# KiCad board EnvKB110ADR-RP2040.kicad_pcb (continued)
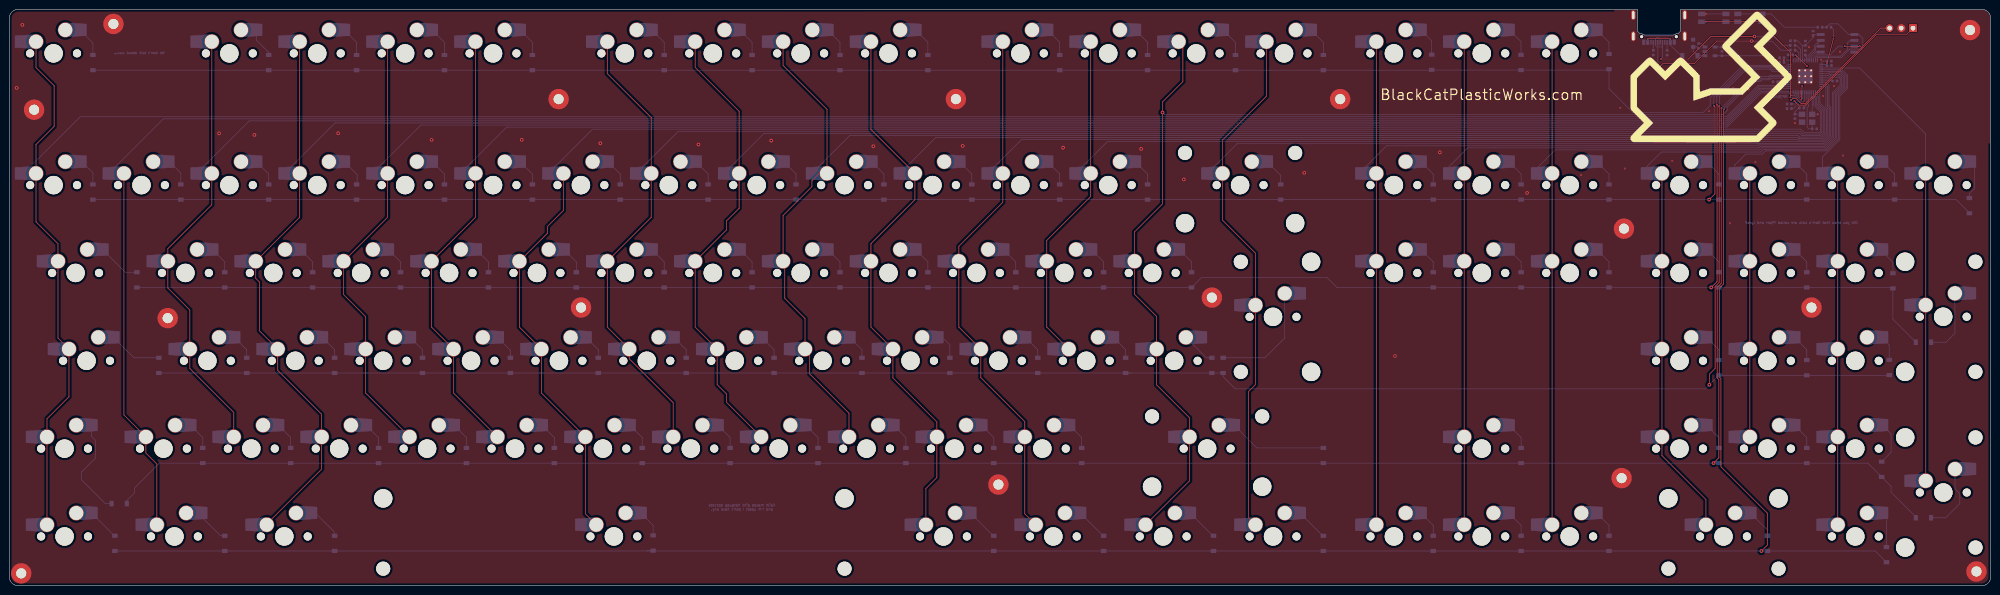
[diagram p0: board, top side]
## Nets
3V3_EN: R7.1 U1.3
+1V1: C3.1 C6.1 C7.1 U3.23 U3.45 U3.50
+3V3: C4.1 C5.1 C8.1 C10.1 C11.1 C13.1 C14.1 C15.1 C16.1 C17.1 C18.1 FLASH1.8 R2.1 U1.5 U3.1 U3.10 U3.22 U3.33 U3.42 U3.43 U3.44 U3.48 U3.49
GND: C1.2 C2.1 C3.2 C4.2 C5.2 C6.2 C7.2 C8.2 C10.2 C11.2 C13.2 C14.2 C15.2 C16.2 C17.2 C18.2 C19.1 CBP1.2 FLASH1.4 H1.1 H2.1 H3.1 H4.1 H5.1 H6.1 H7.1 H8.1 H9.1 H10.1 H11.1 H12.1 H13.1 H14.1 H18.1 J2.2 J5.2 R5.1 R6.1 RSW1.1 U1.2 U3.19 U3.57 USB1.A1 USB1.A12 USB1.B1 USB1.B12 USB1.S1 Y1.2 Y1.4
VBUS: D1.2 USB1.A4 USB1.A9 USB1.B4 USB1.B9
/GPIO0: U3.2
/GPIO25: U3.37
/QSPI_SCLK: FLASH1.6 U3.52
/QSPI_SD0: FLASH1.5 U3.53
/QSPI_SD1: FLASH1.2 U3.55
/QSPI_SD2: FLASH1.3 U3.54
/QSPI_SD3: FLASH1.7 U3.51
/QSPI_SS: FLASH1.1 R1.1 R2.2 U3.56
/RUN: RSW1.2 U3.26
/SWCLK: J5.1 U3.24
/SWD: J5.3 U3.25
/~{USB_BOOT}: J2.1 R1.2
col0: K_12.1 K_28.1 K_49.1 K_70.1 K_86.1 K_104.1 U3.32
col1: K_29.1 K_87.1 K_105.1 U3.31
col2: K_13.1 K_30.1 K_50.1 K_71.1 K_88.1 U3.30
col3: K_14.1 K_31.1 K_51.1 K_72.1 K_89.1 K_106.1 U3.29
col4: K_15.1 K_32.1 K_52.1 K_73.1 K_90.1 U3.28
col5: K_16.1 K_33.1 K_53.1 K_74.1 K_91.1 U3.27
col6: K_34.1 K_54.1 K_75.1 K_92.1 K_107.1 U3.18
col7: K_17.1 K_35.1 K_55.1 K_76.1 K_93.1 U3.17
col8: K_18.1 K_36.1 K_56.1 K_77.1 K_94.1 U3.16
col9: K_19.1 K_37.1 K_57.1 K_78.1 K_95.1 U3.15
col10: K_20.1 K_38.1 K_58.1 K_79.1 K_96.1 K_108.1 U3.14
col11: K_21.1 K_39.1 K_59.1 K_80.1 K_97.1 K_109.1 U3.13
col12: K_22.1 K_40.1 K_60.1 K_81.1 U3.12
col13: K_23.1 K_61.1 K_82.1 K_98.1 K_110.1 U3.34
col14: K_24.1 K_41.1 K_62.1 K_111.1 U3.11
col15: K_25.1 K_42.1 K_63.1 K_112.1 U3.9
col16: K_26.1 K_43.1 K_64.1 K_99.1 K_113.1 U3.8
col17: K_27.1 K_44.1 K_65.1 K_114.1 U3.7
col19: K_45.1 K_66.1 K_83.1 K_100.1 K_115.1 U3.6
col20: K_46.1 K_67.1 K_84.1 K_101.1 U3.5
col21: K_47.1 K_68.1 K_85.1 K_102.1 K_116.1 U3.4
col22: K_48.1 K_69.1 K_103.1 U3.3
row1: D_12.1 D_13.1 D_14.1 D_15.1 D_16.1 D_17.1 D_18.1 D_19.1 D_20.1 D_21.1 D_22.1 D_23.1 D_24.1 D_25.1 D_26.1 D_27.1 U3.41
row3: D_28.1 D_29.1 D_30.1 D_31.1 D_32.1 D_33.1 D_34.1 D_35.1 D_36.1 D_37.1 D_38.1 D_39.1 D_40.1 D_41.1 D_42.1 D_43.1 D_44.1 D_45.1 D_46.1 D_47.1 D_48.1 U3.40
row4: D_49.1 D_50.1 D_51.1 D_52.1 D_53.1 D_54.1 D_55.1 D_56.1 D_57.1 D_58.1 D_59.1 D_60.1 D_61.1 D_63.1 D_64.1 D_65.1 D_66.1 D_67.1 D_68.1 D_69.1 U3.39
row5: D_62.1 D_70.1 D_71.1 D_72.1 D_73.1 D_74.1 D_75.1 D_76.1 D_77.1 D_78.1 D_79.1 D_80.1 D_81.1 D_82.1 D_83.1 D_84.1 D_85.1 U3.38
row6: D_86.1 D_87.1 D_88.1 D_89.1 D_90.1 D_91.1 D_92.1 D_93.1 D_94.1 D_95.1 D_96.1 D_97.1 D_98.1 D_99.1 D_100.1 D_101.1 D_102.1 D_103.1 U3.36
row7: D_104.1 D_105.1 D_106.1 D_107.1 D_108.1 D_109.1 D_110.1 D_111.1 D_112.1 D_113.1 D_114.1 D_115.1 D_116.1 U3.35
USB_D+: R3.1 USB1.A6 USB1.B6
USB_D-: R4.1 USB1.A7 USB1.B7
VSYS: C1.1 D1.1 R7.2 U1.1
XIN: C2.2 U3.20 Y1.1
XOUT: R11.1 U3.21
Net-(C19-Pad2): C19.2 R11.2 Y1.3
Net-(CBP1-Pad1): CBP1.1 U1.4
Net-(D_12-Pad2): D_12.2 K_12.2
Net-(D_13-Pad2): D_13.2 K_13.2
Net-(D_14-Pad2): D_14.2 K_14.2
Net-(D_15-Pad2): D_15.2 K_15.2
Net-(D_16-Pad2): D_16.2 K_16.2
Net-(D_17-Pad2): D_17.2 K_17.2
Net-(D_18-Pad2): D_18.2 K_18.2
Net-(D_19-Pad2): D_19.2 K_19.2
Net-(D_20-Pad2): D_20.2 K_20.2
Net-(D_21-Pad2): D_21.2 K_21.2
Net-(D_22-Pad2): D_22.2 K_22.2
Net-(D_23-Pad2): D_23.2 K_23.2
Net-(D_24-Pad2): D_24.2 K_24.2
Net-(D_25-Pad2): D_25.2 K_25.2
Net-(D_26-Pad2): D_26.2 K_26.2
Net-(D_27-Pad2): D_27.2 K_27.2
Net-(D_28-Pad2): D_28.2 K_28.2
Net-(D_29-Pad2): D_29.2 K_29.2
Net-(D_30-Pad2): D_30.2 K_30.2
Net-(D_31-Pad2): D_31.2 K_31.2
Net-(D_32-Pad2): D_32.2 K_32.2
Net-(D_33-Pad2): D_33.2 K_33.2
Net-(D_34-Pad2): D_34.2 K_34.2
Net-(D_35-Pad2): D_35.2 K_35.2
Net-(D_36-Pad2): D_36.2 K_36.2
Net-(D_37-Pad2): D_37.2 K_37.2
Net-(D_38-Pad2): D_38.2 K_38.2
Net-(D_39-Pad2): D_39.2 K_39.2
Net-(D_40-Pad2): D_40.2 K_40.2
Net-(D_41-Pad2): D_41.2 K_41.2
Net-(D_42-Pad2): D_42.2 K_42.2
Net-(D_43-Pad2): D_43.2 K_43.2
Net-(D_44-Pad2): D_44.2 K_44.2
Net-(D_45-Pad2): D_45.2 K_45.2
Net-(D_46-Pad2): D_46.2 K_46.2
Net-(D_47-Pad2): D_47.2 K_47.2
Net-(D_48-Pad2): D_48.2 K_48.2
Net-(D_49-Pad2): D_49.2 K_49.2
Net-(D_50-Pad2): D_50.2 K_50.2
Net-(D_51-Pad2): D_51.2 K_51.2
Net-(D_52-Pad2): D_52.2 K_52.2
Net-(D_53-Pad2): D_53.2 K_53.2
Net-(D_54-Pad2): D_54.2 K_54.2
Net-(D_55-Pad2): D_55.2 K_55.2
Net-(D_56-Pad2): D_56.2 K_56.2
Net-(D_57-Pad2): D_57.2 K_57.2
Net-(D_58-Pad2): D_58.2 K_58.2
Net-(D_59-Pad2): D_59.2 K_59.2
Net-(D_60-Pad2): D_60.2 K_60.2
Net-(D_61-Pad2): D_61.2 K_61.2
Net-(D_62-Pad2): D_62.2 K_62.2
Net-(D_63-Pad2): D_63.2 K_63.2
Net-(D_64-Pad2): D_64.2 K_64.2
Net-(D_65-Pad2): D_65.2 K_65.2
Net-(D_66-Pad2): D_66.2 K_66.2
Net-(D_67-Pad2): D_67.2 K_67.2
Net-(D_68-Pad2): D_68.2 K_68.2
Net-(D_69-Pad2): D_69.2 K_69.2
Net-(D_70-Pad2): D_70.2 K_70.2
Net-(D_71-Pad2): D_71.2 K_71.2
Net-(D_72-Pad2): D_72.2 K_72.2
Net-(D_73-Pad2): D_73.2 K_73.2
Net-(D_74-Pad2): D_74.2 K_74.2
Net-(D_75-Pad2): D_75.2 K_75.2
Net-(D_76-Pad2): D_76.2 K_76.2
Net-(D_77-Pad2): D_77.2 K_77.2
Net-(D_78-Pad2): D_78.2 K_78.2
Net-(D_79-Pad2): D_79.2 K_79.2
Net-(D_80-Pad2): D_80.2 K_80.2
Net-(D_81-Pad2): D_81.2 K_81.2
Net-(D_82-Pad2): D_82.2 K_82.2
Net-(D_83-Pad2): D_83.2 K_83.2
Net-(D_84-Pad2): D_84.2 K_84.2
Net-(D_85-Pad2): D_85.2 K_85.2
Net-(D_86-Pad2): D_86.2 K_86.2
Net-(D_87-Pad2): D_87.2 K_87.2
Net-(D_88-Pad2): D_88.2 K_88.2
Net-(D_89-Pad2): D_89.2 K_89.2
Net-(D_90-Pad2): D_90.2 K_90.2
Net-(D_91-Pad2): D_91.2 K_91.2
Net-(D_92-Pad2): D_92.2 K_92.2
Net-(D_93-Pad2): D_93.2 K_93.2
Net-(D_94-Pad2): D_94.2 K_94.2
Net-(D_95-Pad2): D_95.2 K_95.2
Net-(D_96-Pad2): D_96.2 K_96.2
Net-(D_97-Pad2): D_97.2 K_97.2
Net-(D_98-Pad2): D_98.2 K_98.2
Net-(D_99-Pad2): D_99.2 K_99.2
Net-(D_100-Pad2): D_100.2 K_100.2
Net-(D_101-Pad2): D_101.2 K_101.2
Net-(D_102-Pad2): D_102.2 K_102.2
Net-(D_103-Pad2): D_103.2 K_103.2
Net-(D_104-Pad2): D_104.2 K_104.2
Net-(D_105-Pad2): D_105.2 K_105.2
Net-(D_106-Pad2): D_106.2 K_106.2
Net-(D_107-Pad2): D_107.2 K_107.2
Net-(D_108-Pad2): D_108.2 K_108.2
Net-(D_109-Pad2): D_109.2 K_109.2
Net-(D_110-Pad2): D_110.2 K_110.2
Net-(D_111-Pad2): D_111.2 K_111.2
Net-(D_112-Pad2): D_112.2 K_112.2
Net-(D_113-Pad2): D_113.2 K_113.2
Net-(D_114-Pad2): D_114.2 K_114.2
Net-(D_115-Pad2): D_115.2 K_115.2
Net-(D_116-Pad2): D_116.2 K_116.2
Net-(R3-Pad2): R3.2 U3.47
Net-(R4-Pad2): R4.2 U3.46
Net-(R5-Pad2): R5.2 USB1.A5
Net-(R6-Pad2): R6.2 USB1.B5

Pads without a net: USB1 A8 B8

## Via types
v1: diameter 0.8, hole 0.4, Top to Bottom, 27 vias
v2: diameter 0.4, hole 0.2, Top to Bottom, 41 vias

## Routing (per net, layer and track width the routed paths; a pad name or vN(x,y) marks a point on that pad's centre or on a via; arc(x,y) is an arc through that point)
3V3_EN: length 1.7
  Bottom w0.15: R7.1 366.78,117.61 U1.3
+1V1: length 13.9
  Top w0.15: v2(389.67,112.7) v2(387.19,115.1) ; v2(388.62,108.45) v2(388.42,105.43)
  Bottom w0.15: U3.23 388.69,105.7 v2(388.42,105.43) 388.09,105.43 387.17,104.5 C6.1 ; C7.1 389.31,114.88 389.49,114.7 U3.50 ; C3.1 387.14,115.15 v2(387.19,115.1) 387.49,114.8 U3.45
+3V3: length 51.3
  Top w0.15: v2(393.99,113.33) v2(395.4,118.68) ; v2(384.69,114.03) 382.79,114.03 v2(382.74,114.08)
  Bottom w0.15: 393.99,113.78 v2(393.99,113.33) 393.99,112.87 ; 385.9,113.83 385.7,114.03 v2(384.69,114.03) ; v2(384.69,114.03) 384.69,114.53 ; v2(384.69,114.03) 384.69,113.53 ; 386.34,103.55 386.78,103.55 388.16,104.92 388.84,104.92 389.09,105.17 U3.22 ; 388.69,117.03 388.69,117.18 388.71,117.2 C5.1 390.99,118.87 C17.1 391.2,119.56 392.69,119.56 ; 388.69,117.03 U3.48 ; 388.69,117.03 388.69,117.15 387.64,118.2 C11.1 ; R2.1 395.4,120.62 v2(395.4,118.68) ; C15.1 393.22,113.8 392.73,113.31 U3.1 393.76,113.1 C13.1 ; v2(382.74,114.08) 381.87,114.95 U1.5 ; 383.35,109.26 383.59,109.5 U3.33 ; U3.10 C14.1 ; U3.49 388.7,113.94
GND: length 16.7
  Bottom w0.15: v2(391.99,102.25) Y1.4 390.79,105.48 390.29,105.98 U3.19 ; RSW1.1 RSW1.1 ; J2.2 J2.2
  vias: v1(1.61,107.98) v1(2.85,121.64) v1(45.5,98.13) v1(53.14,97.78) v1(71.29,98.15) v1(91.54,96.73) v1(111.09,96.73) v1(128.12,95.98) v1(149.39,95.7) v1(165.17,96.55) v1(187.29,95.33) v1(206.67,95.4) v1(228.42,95.03) v1(245.34,94.75) v1(254.59,88.13) v1(280.69,89.55) v1(300.37,49.83) v1(310.09,94) v1(328.99,85.2) v2(340.64,89.08) v2(349.19,103.68) v2(350.19,90.49) v2(360.48,92.17) v2(367.74,124.05) v2(368.45,102.9) v2(372.94,78.61) v2(373.67,107.93) v2(377,107.63) v2(378.49,91.9) v2(387.04,100.35) v2(390.09,116.8) v2(392.73,114.11) v2(393.19,106.26) v2(395.52,108.34) v2(396.83,115.84) v2(397.51,93.31)
VBUS: length 10.3
  Top w0.15: v2(355.14,118.65) v2(360.04,118.65)
  Bottom w0.15: 362.39,114.95 360.04,117.3 USB1.A9 v2(360.04,118.65) ; USB1.A4 v2(355.14,118.65)
/QSPI_SCLK: length 4.7
  Bottom w0.15: 392.69,117.02 391.65,117.02 391.54,116.9 391.54,116.14 390.29,114.89 U3.52
/QSPI_SD0: length 3.2
  Bottom w0.15: U3.53 390.69,114.78 391.65,115.75 392.69,115.75
/QSPI_SD1: length 11.4
  Bottom w0.15: U3.55 391.49,114.55 391.81,114.87 396.96,114.87 398.47,116.38 398.47,117.75 399,118.29 399.89,118.29
/QSPI_SD2: length 12.9
  Top w0.15: v2(401.11,117.02) 397.86,117.02 v2(397.85,117.02)
  Bottom w0.15: U3.54 391.09,114.55 391.68,115.14 394.63,115.14 396.51,117.02 v2(397.85,117.02) ; 399.89,117.02 v2(401.11,117.02)
/QSPI_SD3: length 5.7
  Bottom w0.15: 392.69,118.29 392.03,117.62 391.75,117.62 391.24,117.11 391.24,116.35 389.89,115 U3.51
/QSPI_SS: length 23.7
  Bottom w0.15: R1.1 R2.2 ; 399.91,119.58 400.92,119.58 401.76,118.73 401.76,116.85 401.31,116.4 398.94,116.4 397.13,114.59 391.93,114.59 391.89,114.55 U3.56 ; 393.91,121.18 394.61,121.88 396.38,121.88 398.71,119.56 399.89,119.56
/RUN: length 38.5
  Top w0.15: v2(386.06,105.95) 386.06,115.63 379.24,122.45 367.81,122.45 v2(367.69,122.33)
  Bottom w0.15: v2(386.06,105.95) 387.09,105.95 387.49,106.35 U3.26 ; 372.12,122.41 366.87,122.41
/SWCLK: length 35.7
  Top w0.15: v2(386.94,105.12) 387.81,104.25 389.37,104.25 404.62,119.5 411.19,119.5 J5.1
  Bottom w0.15: U3.24 388.29,106.16 387.26,105.12 v2(386.94,105.12)
/SWD: length 31.6
  Top w0.15: v2(386.19,105.33) 386.54,105.67 387.32,105.67 388.39,104.6 389.29,104.6 405.64,120.95 J5.3
  Bottom w0.15: U3.25 387.89,106.25 387.24,105.6 386.47,105.6 v2(386.19,105.33)
/~{USB_BOOT}: length 18.5
  Bottom w0.15: 380,124.02 381.87,124.02 384.74,121.15 R1.2 ; J2.1 J2.1
col0: length 503.9
  Top w0.15: K_104.1 K_86.1 8.19,36.24 12.95,41 K_70.1 10.57,53.72 K_49.1 10.57,74.17 5.8,78.94 K_28.1 5.8,95.71 9.73,99.63 9.73,108.46 5.8,112.39 K_12.1
  Bottom w0.15: U3.32 384.23,109.1 383.65,108.52 379.03,108.52 372.24,101.73 15.39,101.73 3.1,89.44
col1: length 451.4
  Top w0.15: K_29.1 24.86,37.05 K_87.1 29.62,28.79 32,26.41 K_105.1
  Bottom w0.15: U3.31 384.29,108.7 383.79,108.19 379.17,108.19 372.25,101.28 33.42,101.28 21.58,89.44
col2: length 448.6
  Top w0.15: K_88.1 48.67,37.6 39.14,47.13 K_71.1 39.14,59.82 34.38,64.58 K_50.1 34.38,73.12 43.91,82.65 43.91,118.01
  Bottom w0.15: U3.30 384.35,108.3 383.92,107.87 379.3,107.87 372.26,100.83 370.79,100.83 370.78,100.83 370.78,100.83 52.02,100.83 40.63,89.44
col3: length 453.2
  Top w0.15: K_14.1 K_31.1 62.96,79.92 K_51.1 53.43,66.68 54.22,65.89 54.22,55.31 K_72.1 58.19,46.72 67.72,37.19 K_89.1 67.72,25.3 55.81,13.39
  Bottom w0.15: 59.68,89.44 70.62,100.38 372.27,100.38 379.44,107.54 384.06,107.54 384.42,107.9 U3.29
col4: length 411
  Top w0.15: K_15.1 K_32.1 82,79.92 K_52.1 72.48,63.15 77.24,58.39 K_73.1 77.24,41.81 K_90.1
  Bottom w0.15: U3.28 386.27,107.06 386.12,107.21 379.57,107.21 372.28,99.93 89.22,99.93 78.73,89.44
col5: length 393
  Top w0.15: K_91.1 96.29,41.81 K_74.1 91.53,56.1 K_53.1 101.06,79.92 K_33.1 K_16.1
  Bottom w0.15: 97.78,89.44 107.82,99.48 372.3,99.48 379.71,106.88 385.82,106.88 386.4,106.3 386.95,106.3 387.09,106.44 U3.27
col6: length 376.4
  Top w0.15: K_34.1 120.11,81.39 116.63,77.91 116.63,76.44 K_54.1 110.58,56.1 K_75.1 115.34,41.81 K_92.1 124.87,15.62 K_107.1
  Bottom w0.15: 116.83,89.44 126.42,99.03 388.31,99.03 389.04,98.3 392.31,98.3 392.54,98.53 392.54,102.79 391.13,104.2 391.13,105.62 390.93,105.82 390.93,105.83 390.69,106.07 U3.18
col7: length 370.1
  Top w0.15: K_93.1 143.92,39.7 134.39,49.23 K_76.1 129.63,56.1 K_55.1 139.16,79.92 K_35.1 139.16,101.55 129.63,111.07 K_17.1
  Bottom w0.15: 135.88,89.44 145.02,98.58 388.16,98.58 388.77,97.97 392.45,97.97 392.87,98.39 392.87,102.93 391.46,104.34 391.46,105.76 391.26,105.96 391.26,105.97 391.09,106.13 U3.17
col8: length 351.4
  Top w0.15: K_18.1 148.68,112.43 158.21,102.91 K_36.1 158.21,81.88 155.46,79.13 155.46,77.17 K_56.1 148.68,56.1 K_77.1 153.44,43.63 155.46,41.61 155.46,39.8 K_94.1
  Bottom w0.15: U3.16 391.49,106.2 391.78,105.91 391.78,104.47 393.19,103.06 393.19,98.26 392.58,97.65 388.54,97.65 388.07,98.12 387.97,98.12 387.96,98.13 163.62,98.13 154.93,89.44
col9: length 330
  Top w0.15: K_57.1 167.73,80.31 173.98,86.56 173.98,87.84 175.58,89.44 ; 168.09,70.03 168.09,62.35 172.49,57.95 K_78.1 ; K_37.1 177.25,103.33 167.73,112.85 K_19.1 ; K_95.1 182.02,37.42 173.49,45.95 173.49,50.34
  Bottom w0.15: 173.98,89.44 182.22,97.68 363.4,97.68 387.74,97.68 388.1,97.32 392.72,97.32 393.52,98.12 393.52,103.2 392.11,104.61 392.11,106.04 391.89,106.26 U3.15
col10: length 334.7
  Top w0.15: K_108.1 198.69,21.1 201.07,23.48 K_96.1 201.07,35.54 191.54,45.07 K_79.1 186.78,56.1 K_58.1 186.78,74.21 196.31,83.74 K_38.1 186.78,98.97 K_20.1
  Bottom w0.15: 193.03,89.44 200.82,97.23 387.73,97.23 387.96,96.99 389.11,96.99 389.11,96.99 392.85,96.99 393.85,97.99 393.85,100 393.85,100 393.85,103.06 393.85,103.06 393.85,103.33 392.44,104.74 392.44,107.8 392.54,107.9
col11: length 312.8
  Top w0.15: K_109.1 220.12,15.62 K_97.1 220.12,35.62 210.59,45.15 K_80.1 205.83,56.1 K_59.1 205.83,73.65 215.36,83.18 K_39.1 K_21.1
  Bottom w0.15: 212.08,89.44 219.42,96.78 387.71,96.78 387.83,96.66 392.99,96.66 394.18,97.85 394.18,99.86 394.18,99.86 394.18,103.47 393.77,103.87 393.77,108.1 393.57,108.3 U3.13
col12: length 251.6
  Top w0.15: K_22.1 K_40.1 234.41,84.43 224.88,74.9 K_60.1 224.88,56.1 K_81.1
  Bottom w0.15: U3.12 393.63,108.7 394.1,108.24 394.1,104.01 394.5,103.6 394.5,97.72 393.12,96.34 238.03,96.34 231.13,89.44
col13: length 256.9
  Top w0.15: 254.39,117.08 254.39,109.36 249.99,104.96 v1(249.99,102.65) 249.99,82.84 243.93,76.78 K_61.1 243.93,63.19 248.69,58.43 K_82.1 248.69,43.57 255.84,36.43 K_98.1 255.84,22.77 K_110.1
  Bottom w0.15: U3.34 385.31,109.9 385.13,110.08 382.02,110.08 381.68,109.74 379.86,109.74 379.67,109.55 379.66,109.55 379.46,109.35 377.9,109.35 372.35,103.81 372.35,103.1 371.42,102.18 250.46,102.18 v1(249.99,102.65)
col14: length 264.5
  Top w0.15: K_111.1 268.59,14.77 268.59,42.11 270.12,43.64 K_62.1 270.12,72.14 262.98,79.28 K_41.1 262.98,96.66 272.5,106.19 K_24.1
  Bottom w0.15: 259.7,89.44 266.14,95.88 378.87,95.88 378.95,95.96 393.2,95.96 394.83,97.58 394.83,103.74 394.43,104.14 394.42,104.15 394.42,108.57 393.89,109.1 U3.11
col15: length 227.7
  Top w0.15: K_112.1 K_25.1
  Bottom w0.15: U3.9 394.51,109.9 394.87,110.26 396.64,110.26 396.85,110.05 396.85,108.62 395.16,106.93 395.16,97.45 393.34,95.63 379.26,95.63 379.06,95.43 298.54,95.43 293.04,89.93
col16: length 210.6
  Top w0.15: K_26.1 K_113.1
  Bottom w0.15: U3.8 394.41,110.3 394.7,110.59 396.78,110.59 397.18,110.18 397.18,108.48 395.49,106.79 395.49,97.31 393.47,95.3 379.57,95.3 379.24,94.98 316.13,94.98 312.09,90.94 312.09,89.44
col17: length 191.1
  Top w0.15: K_27.1 K_114.1
  Bottom w0.15: U3.7 394.35,110.7 394.56,110.91 396.91,110.91 397.51,110.32 397.51,108.35 395.81,106.65 395.81,97.18 393.61,94.97 379.93,94.97 379.48,94.52 363.14,94.52 363.14,94.53 335.09,94.53 331.14,90.58
col19: length 145
  Top w0.15: K_115.1 367.75,18.71 358.23,28.23 K_100.1 K_45.1
  Bottom w0.15: 354.95,89.44 354.95,90.94 358.09,94.07 379.67,94.07 380.24,94.65 393.74,94.65 396.14,97.04 396.14,106.52 397.83,108.21 397.83,110.45 397.05,111.24 394.43,111.24 394.29,111.1 U3.6
col20: length 104
  Top w0.15: K_101.1 K_46.1
  Bottom w0.15: U3.5 394.22,111.5 394.29,111.57 397.18,111.57 398.16,110.59 398.16,108.08 396.47,106.38 396.47,96.91 393.88,94.32 380.67,94.32 379.97,93.62 376.39,93.62 374,91.24 374,89.44
col21: length 106
  Top w0.15: K_47.1 K_116.1
  Bottom w0.15: U3.4 397.31,111.9 398.49,110.72 398.49,107.95 396.79,106.25 396.79,96.77 393.06,93.03 393.06,89.44
col22: length 103.8
  Top w0.15: K_103.1 415.4,89.42
  Bottom w0.15: U3.3 401.07,112.3 415.38,97.99 K_48.1
row1: length 379
  Bottom w0.15: 346.56,111.85 D_26.1 308.37,111.85 ; U3.41 382.13,112.7 381.95,112.89 375.78,112.89 368.68,105.79 368.68,104.15 367.15,102.63 351.94,102.63 346.75,107.81 346.75,112.02 ; 18.19,111.82 D_13.1 308.24,111.82
row3: length 450
  Top w0.15: v1(368.46,83.75) 369.72,85.01 369.72,103.88 v2(369.47,104.12)
  Bottom w0.15: v2(369.47,104.12) 369.47,105.98 376.1,112.61 381.83,112.61 382.14,112.3 U3.40 ; 424.86,80.88 421.99,83.75 v1(368.46,83.75) D_28.1
row4: length 456.4
  Top w0.15: v1(368.89,64.71) 370.17,65.98 370.17,104.32 v2(370.1,104.39)
  Bottom w0.15: D_68.1 408.29,57.79 D_69.1 ; v2(370.1,104.39) 370.1,106.08 376.35,112.33 381.72,112.33 382.15,111.9 U3.39 ; 408.09,64.7 D_63.1 287.78,64.7 285.63,66.85 258.42,66.85 D_61.1 D_49.1
row5: length 460.8
  Top w0.15: v1(368.51,43.6) 368.51,45.89 369.75,47.14 369.75,64.93 370.62,65.8 370.62,103.98 v2(370.67,104.03)
  Bottom w0.15: v2(370.67,104.03) 370.67,106.15 376.57,112.06 381.6,112.06 382.16,111.5 U3.38 ; D_81.1 D_82.1 D_62.1 263.12,45.35 265.76,42.71 367.62,42.71 D_83.1 407.44,45.65 ; D_70.1 243.38,46.15
row6: length 493.7
  Top w0.15: v2(371.14,103.6) 371.07,103.53 371.07,65.61 370.2,64.74 370.2,45.07 370.56,44.71 370.56,27.77 v1(369.41,26.62)
  Bottom w0.15: v2(371.14,103.6) 377.6,110.06 379.2,110.06 379.56,110.43 381.34,110.43 381.65,110.74 385.82,110.74 U3.36 ; 413.25,14.95 407.89,20.31 407.89,21.57 D_102.1 402.86,26.6 369.43,26.6 v1(369.41,26.62) 369.39,26.6 32.54,26.6 27.12,21.18 27.12,20.1 25.49,18.48 D_86.1
row7: length 504.7
  Top w0.15: v2(371.7,103.34) 371.52,103.16 371.52,65.43 370.65,64.55 370.65,45.26 371.01,44.9 371.01,25.82 381.06,15.77 381.06,8.81 v1(379.79,7.54)
  Bottom w0.15: 138.24,7.55 D_108.1 D_109.1 D_110.1 D_111.1 D_113.1 D_114.1 379.78,7.55 v1(379.79,7.54) 379.8,7.55 D_115.1 404.44,7.55 D_116.1 ; 138.24,7.55 D_106.1 D_105.1 D_104.1 ; 138.24,7.55 138.31,7.62 D_107.1 ; v2(371.7,103.34) 371.7,103.63 377.76,109.69 379.32,109.69 379.71,110.07 381.39,110.07 381.41,110.09 381.48,110.09 381.8,110.41 385.26,110.41 385.37,110.3 U3.35
USB_D+: length 36.8
  Top w0.15: v2(357.94,114.25) 363.94,114.25 368.84,119.15 v1(378.29,119.15)
  Bottom w0.15: 358.34,117.14 358.34,114.65 v2(357.94,114.25) ; 358.34,117.14 358.05,116.85 357.61,116.85 357.34,117.12 USB1.A6 ; 358.34,117.14 USB1.B6 ; 386.06,117.2 384.37,117.2 382.42,119.15 v1(378.29,119.15)
USB_D-: length 39.7
  Top w0.15: v2(357.84,112.65) 358.42,113.23 365.19,113.23 370.12,118.15 v1(377.69,118.15)
  Bottom w0.15: v1(377.69,118.15) 377.74,118.1 382.09,118.1 384.04,116.15 386.09,116.15 ; v2(357.84,112.65) 357.34,113.15 357.34,116.64 356.84,117.14 USB1.B7 356.84,118.67 357.02,118.85 357.63,118.85 357.84,118.64 USB1.A7
VSYS: length 5.2
  Bottom w0.15: R7.2 365.91,116.88 C1.1 364.99,115.9 D1.1 U1.1
XIN: length 10.5
  Bottom w0.15: C2.2 390.04,99.1 389.69,99.45 389.69,103.7 390.01,104.02 390.01,105.77 389.89,105.89 U3.20 ; Y1.1 390.79,99.12
XOUT: length 3.8
  Bottom w0.15: U3.21 389.49,105.79 389.66,105.62 389.66,104.34 R11.1
Net-(C19-Pad2): length 3.2
  Bottom w0.15: 387.89,103.65 387.04,102.8 C19.2 388.56,102.28
Net-(CBP1-Pad1): length 1.5
  Bottom w0.15: U1.4 CBP1.1
Net-(D_12-Pad2): length 6.4
  Bottom w0.15: 15.46,120.4 18.14,117.72 18.14,115.13
Net-(D_13-Pad2): length 6.5
  Bottom w0.15: 53.56,120.55 53.56,118.36 56.24,115.68 D_13.2
Net-(D_14-Pad2): length 6.5
  Bottom w0.15: D_14.2 75.29,117.87 72.61,120.55
Net-(D_15-Pad2): length 6.5
  Bottom w0.15: 91.66,120.55 94.34,117.87 D_15.2
Net-(D_16-Pad2): length 6.5
  Bottom w0.15: 110.71,120.55 113.39,117.87 D_16.2
Net-(D_17-Pad2): length 6.5
  Bottom w0.15: D_17.2 141.97,117.87 139.28,120.55
Net-(D_18-Pad2): length 6.5
  Bottom w0.15: D_18.2 161.02,117.87 158.33,120.55
Net-(D_19-Pad2): length 6.5
  Bottom w0.15: D_19.2 180.06,117.87 177.38,120.55
Net-(D_20-Pad2): length 6.5
  Bottom w0.15: 196.43,120.55 199.12,117.87 D_20.2
Net-(D_21-Pad2): length 6.5
  Bottom w0.15: 225.01,120.55 227.69,117.87 D_21.2
Net-(D_22-Pad2): length 6.5
  Bottom w0.15: 244.06,120.55 246.74,117.87 D_22.2
Net-(D_23-Pad2): length 6.5
  Bottom w0.15: 263.11,120.55 265.79,117.87 D_23.2
Net-(D_24-Pad2): length 6.5
  Bottom w0.15: D_24.2 284.84,117.87 282.16,120.55
Net-(D_25-Pad2): length 6.3
  Bottom w0.15: D_25.2 308.31,118.21 305.97,120.56
Net-(D_26-Pad2): length 6.5
  Bottom w0.15: D_26.2 327.68,118.02 325.14,120.56
Net-(D_27-Pad2): length 6.3
  Bottom w0.15: D_27.2 346.74,117.88 344.07,120.56
Net-(D_28-Pad2): length 5.9
  Bottom w0.15: 15.72,91.98 18.14,89.56 D_28.2
Net-(D_29-Pad2): length 6
  Bottom w0.15: D_29.2 37.19,89.51 34.72,91.98
Net-(D_30-Pad2): length 6
  Bottom w0.15: D_30.2 56.24,89.3 53.56,91.98
Net-(D_31-Pad2): length 5.8
  Bottom w0.15: 72.61,91.98 75.4,89.19 75.4,87.52 75.29,87.41
Net-(D_32-Pad2): length 6
  Bottom w0.15: D_32.2 94.34,89.3 91.66,91.98
Net-(D_33-Pad2): length 6
  Bottom w0.15: D_33.2 113.39,89.3 110.71,91.98
Net-(D_34-Pad2): length 6
  Bottom w0.15: D_34.2 132.44,89.3 129.76,91.98
Net-(D_35-Pad2): length 6
  Bottom w0.15: 148.81,91.98 151.49,89.3 D_35.2
Net-(D_36-Pad2): length 6
  Bottom w0.15: D_36.2 170.54,89.3 167.86,91.98
Net-(D_37-Pad2): length 6
  Bottom w0.15: 186.91,91.98 189.59,89.3 D_37.2
Net-(D_38-Pad2): length 6
  Bottom w0.15: 205.96,91.98 208.64,89.3 D_38.2
Net-(D_39-Pad2): length 6
  Bottom w0.15: D_39.2 227.69,89.3 225.01,91.98
Net-(D_40-Pad2): length 6
  Bottom w0.15: D_40.2 246.74,89.3 244.06,91.98
Net-(D_41-Pad2): length 6.2
  Bottom w0.15: D_41.2 275.59,89.02 272.63,91.98
Net-(D_42-Pad2): length 6
  Bottom w0.15: 305.97,91.98 308.65,89.3 D_42.2
Net-(D_43-Pad2): length 6
  Bottom w0.15: D_43.2 327.7,89.3 325.02,91.98
Net-(D_44-Pad2): length 6
  Bottom w0.15: 344.07,91.98 346.75,89.3 D_44.2
Net-(D_45-Pad2): length 6
  Bottom w0.15: D_45.2 370.56,89.3 370.56,89.3 367.88,91.98
Net-(D_46-Pad2): length 6
  Bottom w0.15: 386.93,91.98 389.62,89.3 D_46.2
Net-(D_47-Pad2): length 6
  Bottom w0.15: 405.98,91.98 408.67,89.3 D_47.2
Net-(D_48-Pad2): length 7.4
  Bottom w0.15: 425.96,91.05 425.96,86.12 424.86,85.02 D_48.2
Net-(D_49-Pad2): length 9.5
  Bottom w0.15: D_49.2 25.15,68 20.22,72.93
Net-(D_50-Pad2): length 6
  Bottom w0.15: D_50.2 46.71,70.25 44.03,72.93
Net-(D_51-Pad2): length 6
  Bottom w0.15: D_51.2 65.77,70.25 63.08,72.93
Net-(D_52-Pad2): length 6
  Bottom w0.15: D_52.2 84.81,70.25 82.13,72.93
Net-(D_53-Pad2): length 6
  Bottom w0.15: D_53.2 103.87,70.25 101.18,72.93
Net-(D_54-Pad2): length 6
  Bottom w0.15: 120.23,72.93 122.92,70.25 D_54.2
Net-(D_55-Pad2): length 6
  Bottom w0.15: 139.28,72.93 141.97,70.25 D_55.2
Net-(D_56-Pad2): length 6
  Bottom w0.15: D_56.2 161.02,70.25 158.33,72.93
Net-(D_57-Pad2): length 6
  Bottom w0.15: D_57.2 180.06,70.25 177.38,72.93
Net-(D_58-Pad2): length 6
  Bottom w0.15: D_58.2 199.12,70.25 196.43,72.93
Net-(D_59-Pad2): length 6
  Bottom w0.15: D_59.2 218.17,70.25 215.48,72.93
Net-(D_60-Pad2): length 6
  Bottom w0.15: D_60.2 237.22,70.25 234.53,72.93
Net-(D_61-Pad2): length 6
  Bottom w0.15: 253.58,72.93 256.26,70.25 D_61.2
Net-(D_62-Pad2): length 24.8
  Bottom w0.15: K_62.2 276.47,53.76 272.17,49.45 D_62.2
Net-(D_63-Pad2): length 6
  Bottom w0.15: D_63.2 308.65,70.25 305.97,72.93
Net-(D_64-Pad2): length 6
  Bottom w0.15: D_64.2 327.7,70.25 325.02,72.93
Net-(D_65-Pad2): length 6
  Bottom w0.15: 344.07,72.93 346.75,70.25 D_65.2
Net-(D_66-Pad2): length 6
  Bottom w0.15: D_66.2 370.56,70.25 367.88,72.93
Net-(D_67-Pad2): length 6
  Bottom w0.15: 386.93,72.93 389.62,70.25 D_67.2
Net-(D_68-Pad2): length 5.6
  Bottom w0.15: 405.98,72.46 408.29,70.15 D_68.2
Net-(D_69-Pad2): length 14.6
  Bottom w0.15: D_69.2 419.79,52.82 421.73,54.76 K_69.2
Net-(D_70-Pad2): length 11.7
  Bottom w0.15: 22.6,53.88 27.03,49.45 D_70.2
Net-(D_71-Pad2): length 5.5
  Bottom w0.15: D_71.2 51.48,51.2 48.79,53.88
Net-(D_72-Pad2): length 5.5
  Bottom w0.15: D_72.2 70.53,51.2 67.84,53.88
Net-(D_73-Pad2): length 5.5
  Bottom w0.15: 86.89,53.88 89.58,51.2 D_73.2
Net-(D_74-Pad2): length 5.4
  Bottom w0.15: 105.94,53.76 108.63,51.07 D_74.2
Net-(D_75-Pad2): length 5.5
  Bottom w0.15: 124.99,53.88 127.68,51.2 D_75.2
Net-(D_76-Pad2): length 5.5
  Bottom w0.15: D_76.2 146.73,51.2 144.04,53.88
Net-(D_77-Pad2): length 5.5
  Bottom w0.15: D_77.2 165.78,51.2 163.09,53.88
Net-(D_78-Pad2): length 5.5
  Bottom w0.15: 182.14,53.88 184.83,51.2 D_78.2
Net-(D_79-Pad2): length 5.1
  Bottom w0.15: 202.26,53.88 203.88,52.26 D_79.2
Net-(D_80-Pad2): length 5.5
  Bottom w0.15: 220.24,53.88 222.93,51.2 D_80.2
Net-(D_81-Pad2): length 5.5
  Bottom w0.15: D_81.2 241.98,51.2 239.29,53.88
Net-(D_82-Pad2): length 7.5
  Bottom w0.15: D_82.2 259.47,49.45 K_82.2
Net-(D_83-Pad2): length 6
  Bottom w0.15: D_83.2 370.56,51.2 367.88,53.88
Net-(D_84-Pad2): length 6
  Bottom w0.15: D_84.2 389.62,51.2 386.93,53.88
Net-(D_85-Pad2): length 5.3
  Bottom w0.15: 405.98,53.72 407.49,52.21 D_85.2
Net-(D_86-Pad2): length 22.1
  Bottom w0.15: D_86.2 20.82,17.83 15.68,22.96 15.68,24.69 18.69,27.7 18.69,31.55 17.84,32.4 17.84,34.83
Net-(D_87-Pad2): length 6
  Bottom w0.15: D_87.2 41.95,32.15 39.27,34.83
Net-(D_88-Pad2): length 6
  Bottom w0.15: 58.32,34.83 61,32.15 D_88.2
Net-(D_89-Pad2): length 6
  Bottom w0.15: 77.37,34.8 80.05,32.12 D_89.2
Net-(D_90-Pad2): length 6
  Bottom w0.15: 96.42,34.83 99.1,32.15 D_90.2
Net-(D_91-Pad2): length 6
  Bottom w0.15: D_91.2 118.15,32.15 115.47,34.83
Net-(D_92-Pad2): length 6
  Bottom w0.15: D_92.2 137.2,32.15 134.52,34.83
Net-(D_93-Pad2): length 6
  Bottom w0.15: D_93.2 156.25,32.15 153.57,34.83
Net-(D_94-Pad2): length 6
  Bottom w0.15: 172.62,34.83 175.3,32.15 D_94.2
Net-(D_95-Pad2): length 6
  Bottom w0.15: D_95.2 194.35,32.15 191.67,34.83
Net-(D_96-Pad2): length 6
  Bottom w0.15: D_96.2 213.4,32.15 210.72,34.83
Net-(D_97-Pad2): length 6
  Bottom w0.15: D_97.2 232.45,32.15 229.77,34.83
Net-(D_98-Pad2): length 21.4
  Bottom w0.15: 265.49,34.83 270.42,29.9 D_98.2
Net-(D_99-Pad2): length 6
  Bottom w0.15: D_99.2 327.7,32.15 325.02,34.83
Net-(D_100-Pad2): length 6
  Bottom w0.15: 367.88,34.83 370.56,32.15 D_100.2
Net-(D_101-Pad2): length 6
  Bottom w0.15: D_101.2 389.62,32.15 386.93,34.83
Net-(D_102-Pad2): length 9.6
  Bottom w0.15: 405.98,34.83 407.89,32.92 407.89,28.95 D_102.2
Net-(D_103-Pad2): length 15.4
  Bottom w0.15: D_103.2 419.72,14.75 422.79,17.82 422.79,19.99 421.75,21.03 K_103.2
Net-(D_104-Pad2): length 7
  Bottom w0.15: 22.77,10.85 17.84,15.78
Net-(D_105-Pad2): length 6.8
  Bottom w0.15: D_105.2 45.79,10.85 41.65,14.99
Net-(D_106-Pad2): length 6.7
  Bottom w0.15: D_106.2 70.53,11.61 66.36,15.78
Net-(D_107-Pad2): length 6
  Bottom w0.15: D_107.2 139.56,13.12 136.9,15.78
Net-(D_108-Pad2): length 7
  Bottom w0.15: 213.27,10.85 208.34,15.78
Net-(D_109-Pad2): length 7
  Bottom w0.15: 237.08,10.85 232.15,15.78
Net-(D_110-Pad2): length 7
  Bottom w0.15: 260.89,10.85 255.96,15.78
Net-(D_111-Pad2): length 7
  Bottom w0.15: 284.71,10.85 279.78,15.78
Net-(D_112-Pad2): length 6
  Bottom w0.15: 305.97,15.78 308.65,13.1 D_112.2
Net-(D_113-Pad2): length 6
  Bottom w0.15: D_113.2 327.7,13.1 325.02,15.78
Net-(D_114-Pad2): length 6
  Bottom w0.15: 344.07,15.78 346.75,13.1 D_114.2
Net-(D_115-Pad2): length 6.5
  Bottom w0.15: 377.41,15.78 381.09,12.1 D_115.2
Net-(D_116-Pad2): length 6.5
  Bottom w0.15: D_116.2 406.89,14.87
Net-(R3-Pad2): length 4
  Bottom w0.15: U3.47 388.29,116.35 387.47,117.18 387.09,117.18
Net-(R4-Pad2): length 2.7
  Bottom w0.15: U3.46 387.89,115.58 387.31,116.15 387.09,116.15
Net-(R5-Pad2): length 1.7
  Bottom w0.15: 356.34,116.15 USB1.A5
Net-(R6-Pad2): length 1.8
  Bottom w0.15: 359.34,116.12 USB1.B5

## Copper pours and planes (outline as drawn; the poured copper is in the pictures)
+1V1 on Bottom: 391.51,108.2 388.39,108.2 388.39,108.7 391.51,108.7
+1V1 on Bottom: 391.51,108.2 391.09,108.2 391.09,112.85 391.51,112.85
+1V1 on Bottom: 389.78,113.3 391.51,113.3 391.51,112.3 389.39,112.3 389.39,114.38 389.79,114.38
+3V3 on Bottom: 392.09,107.7 391.56,107.7 391.56,113.3 392.09,113.3
+3V3 on Bottom: 392.09,107.7 389.04,107.7 389.04,108.15 392.09,108.15
+3V3 on Bottom: 389.29,106.63 388.99,106.63 388.99,107.7 387.97,107.7 387.97,108.15 389.29,108.15
+3V3 on Bottom: 388.26,107.7 387.22,107.7 387.22,108.7 388.26,108.7
+3V3 on Bottom: 389.19,113 387.49,113 387.49,107.7 386.49,107.7 386.49,109.4 385.39,109.4 385.39,109.6 386.49,109.6 386.49,113 386.29,113 386.29,113.3 388.59,113.3 388.59,114.4 389.19,114.4
+3V3 on Bottom: 387.19,113.3 388.59,113.3 388.59,114.4 389.19,114.4 389.19,112.3 385.39,112.3 385.39,114.4 387.19,114.4
GND on Top, Bottom: 429.89,95.95 347.89,95.95 347.89,125.2 429.89,125.2
GND on Top, Bottom: 429.59,-0.07 -0.06,-0.07 -0.06,125.1 429.59,125.1

Small or netless copper shapes (teardrops, artwork), in the pictures only: 2 on Bottom

## Text on the board
Bottom: We don't talk about uwu… | Kailh makes pink hotswap sockets / and I'm upset I don't have any. | RP2040 | Did you know that Dom's cats are called Piper and Lyra?
B.Mask: SWDIO | SWCLK
B.Silkscreen: https://github.com/Envious-Data/Env-KB110ADR
F.Mask: SWDIO | SWCLK
F.Silkscreen: BlackCatPlasticWorks.com
